# Altium PCB PCB1.PcbDoc (part 4 of 4)
Units mm, origin at the board's own origin, x right, y up, seen from the top; angles counter-clockwise.
Board outline 182 x 106 mm, 2 copper layers (Top Layer, Bottom Layer); 1027 components, 737 nets, 3417 pads, 0 vias.
Unrouted connection lines stored in the file: 2451.
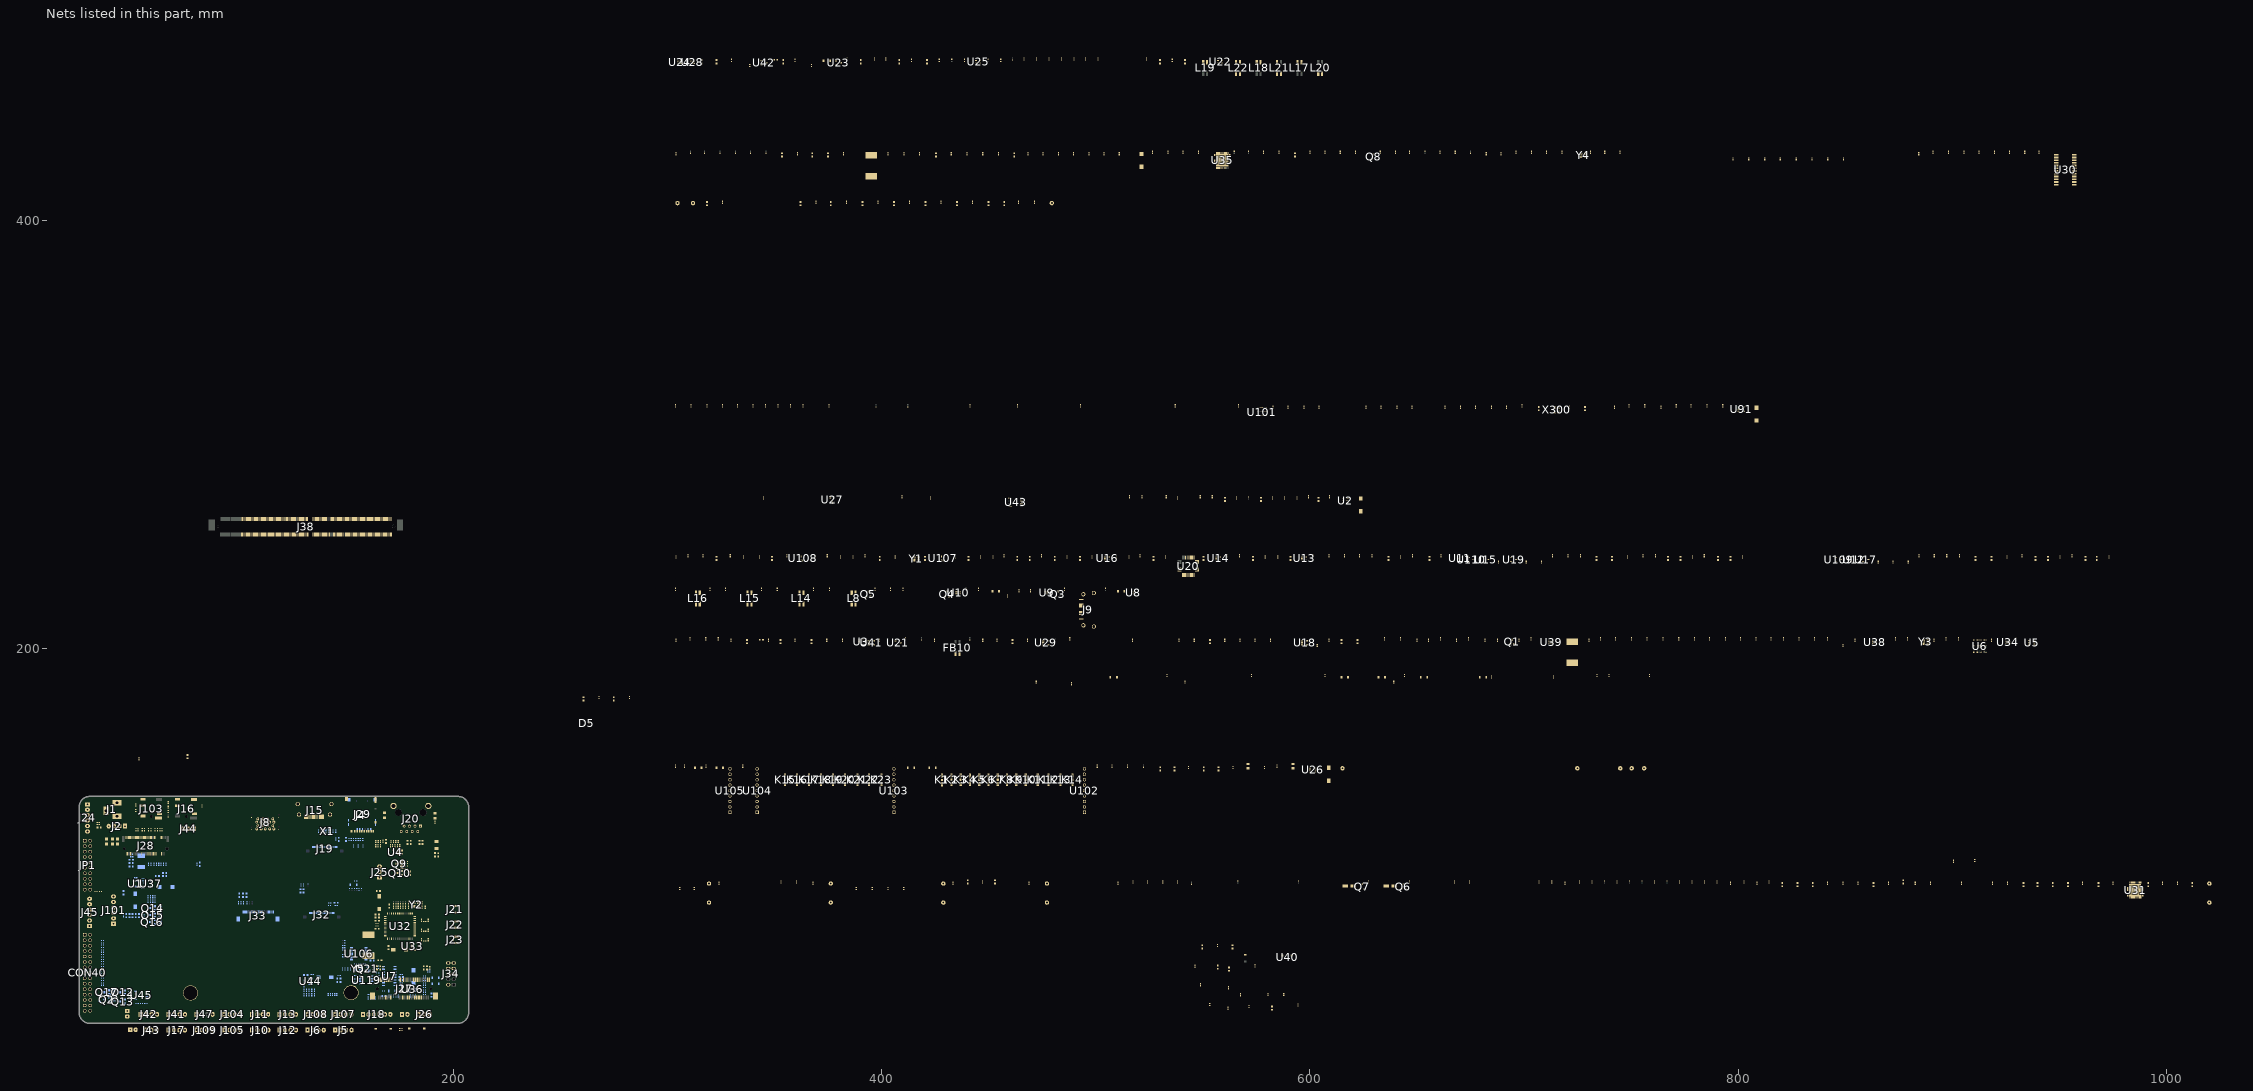
[diagram p4: the nets of this part, all layers, seen from the top]

## Footprints (in the part's own frame and the unit in brackets; to place one, negate y for a bottom-side part, rotate by r counter-clockwise, add the part's x,y. Pads: shape width x height; smd on the part's side, far side on the other; paste and mask are expansions set on the pad) (continued)
MINI_PCIE_52PIN [mm]
  rect 0.6x2 smd: 1(-11.8,-4.1) 2(-11.4,4.1) 3(-11,-4.1) 4(-10.6,4.1) 5(-10.2,-4.1) 6(-9.8,4.1) 7(-9.4,-4.1) 8(-9,4.1) 9(-8.6,-4.1) 10(-8.2,4.1) 11(-7.8,-4.1) 12(-7.4,4.1) 13(-7,-4.1) 14(-6.6,4.1) 15(-6.2,-4.1) 16(-5.8,4.1) 17(-2.2,-4.1) 18(-1.8,4.1) 19(-1.4,-4.1) 20(-1,4.1) 21(-0.6,-4.1) 22(-0.2,4.1) 23(0.2,-4.1) 24(0.6,4.1) 25(1,-4.1) 26(1.4,4.1) 27(1.8,-4.1) 28(2.2,4.1) 29(2.6,-4.1) 30(3,4.1) 31(3.4,-4.1) 32(3.8,4.1) 33(4.2,-4.1) 34(4.6,4.1) 35(5,-4.1) 36(5.4,4.1) 37(5.8,-4.1) 38(6.2,4.1) 39(6.6,-4.1) 40(7,4.1) 41(7.4,-4.1) 42(7.8,4.1) 43(8.2,-4.1) 44(8.6,4.1) 45(9,-4.1) 46(9.4,4.1) 47(9.8,-4.1) 48(10.2,4.1) 49(10.6,-4.1) 50(11,4.1) 51(11.4,-4.1) 52(11.8,4.1)
  rect 2.3x3.2 smd: 53(-14.65,-3.5) 54(14.65,-3.5)
  round 1.6 hole 1.6 unplated: 55(-12.5,0)
  round 1.1 hole 1.1 unplated: 56(12.5,0)
  silkscreen extent -15,-5.1 15,5.1
MSMD300/3A [mm]
  rect 2x3.4 smd: 1(-2,0) 2(3.3,0)
  silkscreen extent -3.25,-1.95 4.5,1.95
QFN48 [mm]
  rect 0.8x0.3 smd: 1(-3.45,2.75) 2(-3.45,2.25) 3(-3.45,1.75) 4(-3.45,1.25) 5(-3.45,0.75) 6(-3.45,0.25) 7(-3.45,-0.25) 8(-3.45,-0.75) 9(-3.45,-1.25) 10(-3.45,-1.75) 11(-3.45,-2.25) 12(-3.45,-2.75) 25(3.45,-2.75) 26(3.45,-2.25) 27(3.45,-1.75) 28(3.45,-1.25) 29(3.45,-0.75) 30(3.45,-0.25) 31(3.45,0.25) 32(3.45,0.75) 33(3.45,1.25) 34(3.45,1.75) 35(3.45,2.25) 36(3.45,2.75)
  rect 0.3x0.8 smd: 13(-2.75,-3.5) 14(-2.25,-3.5) 15(-1.75,-3.5) 16(-1.25,-3.5) 17(-0.75,-3.5) 18(-0.25,-3.5) 19(0.25,-3.5) 20(0.75,-3.5) 21(1.25,-3.5) 22(1.75,-3.5) 23(2.25,-3.5) 24(2.75,-3.5) 37(2.75,3.5) 38(2.25,3.5) 39(1.75,3.5) 40(1.25,3.5) 41(0.75,3.5) 42(0.25,3.5) 43(-0.25,3.5) 44(-0.75,3.5) 45(-1.25,3.5) 46(-1.75,3.5) 47(-2.25,3.5) 48(-2.75,3.5)
  rect 5.65x5.8 smd: 49(0,0)
  silkscreen extent -4,3.38 -3.75,3.62, body extent -3.55,-3.55 3.55,3.55, height 0.9
"R 0402" [mm] "Chip Resistor, 2-Leads, Body 1.0x0.5mm, IPC Medium Density"
  rect 0.6x0.5 smd mask+0.051: 1(-0.475,0) 2(0.475,0)
  silkscreen extent -0.9,-0.45 0.9,0.45, body extent -0.5,-0.25 0.5,0.25, height 0.4
"R 0603" [mm] "Chip Resistor, 2-Leads, Body 1.6x0.8mm, IPC Medium Density"
  rect 0.85x0.85 smd mask+0.051: 1(-0.775,0) 2(0.775,0)
  silkscreen extent -1.4,-0.63 1.4,0.63, body extent -0.8,-0.4 0.8,0.4, height 0.5
"R 0805" [mm] "Chip Resistor, 2-Leads, Body 2.0x1.3mm, IPC Medium Density"
  rect 1.05x1.35 smd: 1(-0.975,0) 2(0.975,0)
  silkscreen extent -1.75,-0.92 1.75,0.92, body extent -1,-0.61 1,0.59, height 0.5
RCLAMP0524PATCT [mm]
  rect 0.2x0.675 smd: 1(-1,-0.438) 2(-0.5,-0.438) 4(0.5,-0.438) 5(1,-0.438) 6(1,0.438) 7(0.5,0.438) 9(-0.5,0.438) 10(-1,0.438)
  rect 0.4x0.775 smd: 3(0,-0.388) 8(0,0.388)
  silkscreen extent -1.25,-1.3 1.25,0.5, body extent -1.25,-0.76 1.25,0.76, height 2.1
RJ45 [mm]
  rect 1.268x1.268 hole 0.76: 1(-4.445,6.35)
  round 1.268 hole 0.76: 2(-3.175,8.89) 3(-1.905,6.35) 4(-0.635,8.89) 5(0.635,6.35) 6(1.905,8.89) 7(3.175,6.35) 8(4.445,8.89)
  round 2.895 hole 1.93: 9(-8.125,-3.05) 10(8.125,-3.05)
  round 3.25 hole 3.25 unplated: None(-5.715,0) None(5.715,0)
  silkscreen extent -9.63,-7.11 8.89,10.92
SG24301G [mm] "SON, 24-Leads, Body 16.50x9.00mm, Pitch 1.27mm, IPC Medium Density"
  rect 2x0.8 smd: 1(-4.175,6.985) 2(-4.175,5.715) 3(-4.175,4.445) 4(-4.175,3.175) 5(-4.175,1.905) 6(-4.175,0.635) 7(-4.175,-0.635) 8(-4.175,-1.905) 9(-4.175,-3.175) 10(-4.175,-4.445) 11(-4.175,-5.715) 12(-4.175,-6.985) 13(4.175,-6.985) 14(4.175,-5.715) 15(4.175,-4.445) 16(4.175,-3.175) 17(4.175,-1.905) 18(4.175,-0.635) 19(4.175,0.635) 20(4.175,1.905) 21(4.175,3.175) 22(4.175,4.445) 23(4.175,5.715) 24(4.175,6.985)
  silkscreen extent -4.97,-8.27 4.52,8.32, body extent -4.38,-8.13 4.38,8.13, height 2.1
SM-LED-0805-Blue [mil]
  rect 50x55 smd: 1(0,0) 2(90,0)
  silkscreen extent 0,-35 90,35, body extent 5,-25 85,25, height 43
SM-LED-0805-Green [mil]
  rect 50x55 smd: 1(0,0) 2(90,0)
  silkscreen extent 0,-35 90,35, body extent 5,-25 85,25, height 43
SM-LED-0805-Yellow [mil]
  rect 50x55 smd: 1(0,0) 2(90,0)
  silkscreen extent 0,-35 90,35, body extent 5,-25 85,25, height 43
SOIC-8 [mm] "SOIC, 8-Leads, Body 4.90x3.90mm, Pitch 1.27mm, IPC Medium Density"
  oval 1.45x0.6 smd: 1(-2.725,1.905) 2(-2.725,0.635) 3(-2.725,-0.635) 4(-2.725,-1.905) 5(2.725,-1.905) 6(2.725,-0.635) 7(2.725,0.635) 8(2.725,1.905)
  silkscreen extent -2.85,-2.5 1.6,2.88, body extent -3,-2.5 3,2.5, height 1.75
SOP-8 [mm] "SOP, 8-Leads, Body 4.90x3.90mm, Pitch 1.27mm, IPC Medium Density"
  oval 1.45x0.6 smd: 1(-2.725,1.905) 2(-2.725,0.635) 3(-2.725,-0.635) 4(-2.725,-1.905) 5(2.725,-1.905) 6(2.725,-0.635) 7(2.725,0.635) 8(2.725,1.905)
  silkscreen extent -2.85,-2.5 1.6,2.88, body extent -2,-2.5 2,2.5, height 1.75
SOP-16 [mm]
  oval 1.45x0.6 smd: 1(-2.725,4.445) 2(-2.725,3.175) 3(-2.725,1.905) 4(-2.725,0.635) 5(-2.725,-0.635) 6(-2.725,-1.905) 7(-2.725,-3.175) 8(-2.725,-4.445) 9(2.725,-4.445) 10(2.725,-3.175) 11(2.725,-1.905) 12(2.725,-0.635) 13(2.725,0.635) 14(2.725,1.905) 15(2.725,3.175) 16(2.725,4.445)
  silkscreen extent -2.85,-5 1.6,5.42, body extent -2,-5 2,5, height 1.75
SOP-20 [mm]
  rect 1.4x0.45 smd: 1(-3.45,2.925) 2(-3.45,2.275) 3(-3.45,1.625) 4(-3.45,0.975) 5(-3.45,0.325) 6(-3.45,-0.325) 7(-3.45,-0.975) 8(-3.45,-1.625) 9(-3.45,-2.275) 10(-3.45,-2.925) 11(3.45,-2.925) 12(3.45,-2.275) 13(3.45,-1.625) 14(3.45,-0.975) 15(3.45,-0.325) 16(3.45,0.325) 17(3.45,0.975) 18(3.45,1.625) 19(3.45,2.275) 20(3.45,2.925)
  silkscreen extent -3.57,-3.7 2.35,3.82, body extent -2.75,-3.7 2.75,3.7, height 1.85
SOT23 [mm] "SOT-23; 3 Leads; Body 3.1 x 2.5 mm, inc. leads (LxW max), Alternate Lead Configuration"
  rect 0.9x0.95 smd: 1(0,1.175) 2(0.95,-1.175) 3(-0.95,-1.175)
  silkscreen extent -1.3,-0.3 1.3,2.32
SOT-23-5 [mm] "SOT23, 5-Leads, Body 3.0x3.0mm (max), Pitch 0.95mm, IPC Medium Density"
  rect 1x0.55 smd: 1(-1.3,0.95) 2(-1.3,0) 3(-1.3,-0.95) 4(1.3,-0.95) 5(1.3,0.95)
  silkscreen extent -0.25,-1.5 0.25,1.5, body extent -1.5,-1.5 1.5,1.5, height 1.3
SOT-23-6 [mm] "SOT23, 6-Leads, Body 3.0x3.0mm (max), Pitch 0.95mm, IPC Medium Density"
  rect 1x0.55 smd: 1(-1.3,0.95) 2(-1.3,0) 3(-1.3,-0.95) 4(1.3,-0.95) 5(1.3,0) 6(1.3,0.95)
  silkscreen extent -1.42,-1.5 0.25,1.98, body extent -1.5,-1.5 1.5,1.5, height 1.3
"SOT-23-6 Thin" [mm] "TSOT-26"
  rrect25% 1x0.6 smd: 1(-1.1,0.95) 2(-1.1,0) 3(-1.1,-0.95) 4(1.1,-0.95) 5(1.1,0) 6(1.1,0.95)
  silkscreen extent -1.42,-1.5 0.25,1.97, body extent -1.27,-1.4 1.16,1.4, height 1.09
SW1-SMD [mm]
  rect 1.2x0.8 smd: 1(-3.5,0) 2(3.5,0)
  silkscreen extent -2.82,-1.85 2.82,1.85, body extent -3.05,-1.85 3.05,1.85, height 2.5
TC358749XBG-80pin [mm]
  round 0.24 smd: A1(-2.925,2.925) A2(-2.275,2.925) A3(-1.625,2.925) A4(-0.975,2.925) A5(-0.325,2.925) A6(0.325,2.925) A7(0.975,2.925) A8(1.625,2.925) A9(2.275,2.925) A10(2.925,2.925) B1(-2.925,2.275) B2(-2.275,2.275) B3(-1.625,2.275) B4(-0.975,2.275) B5(-0.325,2.275) B6(0.325,2.275) B7(0.975,2.275) B8(1.625,2.275) B9(2.275,2.275) B10(2.925,2.275) C1(-2.925,1.625) C2(-2.275,1.625) C9(2.275,1.625) C10(2.925,1.625) D1(-2.925,0.975) D2(-2.275,0.975) D4(-0.975,0.975) D5(-0.325,0.975) D6(0.325,0.975) D7(0.975,0.975) D9(2.275,0.975) D10(2.925,0.975) E1(-2.925,0.325) E2(-2.275,0.325) E4(-0.975,0.325) E5(-0.325,0.325) E6(0.325,0.325) E7(0.975,0.325) E9(2.275,0.325) E10(2.925,0.325) F1(-2.925,-0.325) F2(-2.275,-0.325) F4(-0.975,-0.325) F5(-0.325,-0.325) F6(0.325,-0.325) F7(0.975,-0.325) F9(2.275,-0.325) F10(2.925,-0.325) G1(-2.925,-0.975) G2(-2.275,-0.975) G4(-0.975,-0.975) G5(-0.325,-0.975) G6(0.325,-0.975) G7(0.975,-0.975) G9(2.275,-0.975) G10(2.925,-0.975) H1(-2.925,-1.625) H2(-2.275,-1.625) H9(2.275,-1.625) H10(2.925,-1.625) J1(-2.925,-2.275) J2(-2.275,-2.275) J3(-1.625,-2.275) J4(-0.975,-2.275) J5(-0.325,-2.275) J6(0.325,-2.275) J7(0.975,-2.275) J8(1.625,-2.275) J9(2.275,-2.275) J10(2.925,-2.275) K1(-2.925,-2.925) K2(-2.275,-2.925) K3(-1.625,-2.925) K4(-0.975,-2.925) K5(-0.325,-2.925) K6(0.325,-2.925) K7(0.975,-2.925) K8(1.625,-2.925) K9(2.275,-2.925) K10(2.925,-2.925)
  silkscreen extent -4.2,-3.5 3.5,3.5
TI-DDC5_N [mm] "SOT23, 5-Leads, Body 2.9x1.6mm, Pitch 0.95mm, IPC Medium Density"
  rect 1.05x0.6 smd: 1(-1.2,0.95) 2(-1.2,0) 3(-1.2,-0.95) 4(1.2,-0.95) 5(1.2,0.95)
  silkscreen extent -1.33,-1.55 0.3,1.92, body extent -0.87,-1.52 0.87,1.53, height 1.1
TLA06LCA [mm] "Micro SMD, 6-Leads, Body 1.57x1.26mm, Pitch 0.5mm, NSC Recommended"
  round 0.265 smd paste-0.132 mask+0.05: A1(-0.25,0.5) A2(0.25,0.5) B1(-0.25,0) B2(0.25,0) C1(-0.25,-0.5) C2(0.25,-0.5)
  silkscreen extent -0.78,0.84 -0.69,0.94, body extent -0.63,-0.78 0.63,0.79, height 0.68
TP1 [mil] "Test point"
  round 80 hole 35: 1(0,0)
  silkscreen extent -44,-44 44,44, body extent -50,-50 50,50, height 178
TSOT-23-8 [mm]
  rect 1x0.3 smd: 1(-1.3,0.975) 2(-1.3,0.325) 3(-1.3,-0.325) 4(-1.3,-0.975) 5(1.3,-0.975) 6(1.3,-0.325) 7(1.3,0.325) 8(1.3,0.975)
  silkscreen extent -1.42,-1.47 0.25,2, body extent -1.4,-1.45 1.4,1.45, height 1
TSSOP-10 [mm]
  oval 0.95x0.3 smd: 1(-2.025,1) 2(-2.025,0.5) 3(-2.025,0) 4(-2.025,-0.5) 5(-2.025,-1) 6(2.025,-1) 7(2.025,-0.5) 8(2.025,0) 9(2.025,0.5) 10(2.025,1)
  silkscreen extent -2.15,-1.55 1.15,1.82, body extent -1.55,-1.55 1.55,1.55, height 1.1

## Part data
C1 C2 C3 C4 C5 C6 C7 C8 C9 C10 C11 C12 C13 C14 C15 C16 C17 C18 C19 C20 C21 C22 C23 C24 C25 C26 C27 C28 C29 C30 C31 C32 C33 C34 C35 C36 C37 C38 C39 C40 C41 C42 C43 C44 C45 C46 C47 C48 C49 C50 C51 C52 C53 C54 C55 C56 C57 C58 C59 C60 C61 C62 C63 C64 C65 C66 C67 C68 C69 C70 C71 C72 C73 C74 C75 C76 C77 C78 C79 C80 C81 C82 C83 C84 C85 C86 C87 C88 C89 C90 C91 C92 C93 C94 C95 C96 C97 C98 C99 C100 C101 C102 C103 C104 C105 C106 C107 C108 C109 C110 C111 C112 C113 C114 C115 C116 C117 C118 C119 C120 C121 C122 C123 C124 C125 C126 C127 C128 C129 C130 C131 C132 C133 C134 C135 C136 C137 C138 C139 C140 C141 C142 C143 C144 C145 C146 C147 C148 C149 C150 C151 C152 C153 C154 C155 C156 C157 C158 C159 C160 C161 C162 C163 C164 C165 C166 C167 C168 C169 C170 C171 C172 C173 C174 C175 C176 C177 C178 C179 C180 C181 C182 C183 C184 C185 C186 C187 C188 C189 C190 C191 C192 C193 C194 C195 C196 C197 C198 C199 C200 C201 C202 C203 C204 C205 C206 C207 C208 C209 C210 C211 C212 C213 C214 C215 C216 C217 C218 C219 C220 C221 C222 C223 C224 C225 C226 C227 C228 C229 C230 C231 C232 C233 C234 C235 C236 C237 C238 C239 C240 C241 C242 C243 C244 C245 C246 C247 C248 C249 C250 C251 C252 C253 C254 C255 C256 C257 C258 C259 C260 C261 C262 C263 C264 C265 C266 C267 C268 C269 C270 C271 C272 C273 C274 C275 C276 C277 C278 C279 C280 C281 C282 C283 C284 C285 C286 C287 C288 C289 C290 C291 C292 C293 C311 C312 C313 C315 C316 C318 C319 C320 C321 C322 C323 C324 C325 C326 C327 C328 C329 C330 C331 C332 C333 C334 C335 C336 C337 C338 C339 C340 C341 C342 C343 C344 C345 C346 C347 C350 C351 C352 C353 C354 C355 C356 C357 C358 C359 C360 C361 C362 C363 C364 C500 C501 C502 C503 C504 C505 C506 C507 C508 C509 C510 C511 C512 C513 C514 C515 C516 C517 C518 C519 C527 C528 C529 C530 C531 C532 C533 C534 C535 C536 C537 C538 C572 C573 C574 C577 C578 C580 C581 C585 C586: library part Cap, "Capacitor"
D1 D2 D3 D4 D7 D8 D9 D10 D11 D12 D13 D14 D15 D16 D20 D22: "Default Diode"
D5: library part BAT54-05, "Silicon Schottky Diode, SOT23, Reel, Green"
D6: library part "Diode SMD", "Default Diode"
EC1 EC2: "Polarized Capacitor (Axial)"
ED1 ED2 ED3 ED4 ED5 ED6 ED7 ED8 ED9 ED10 ED11 ED12 ED13 ED14 ED15 ED16 ED17 ED18 ED19 ED20 ED21 ED22 ED23 ED24 ED25 ED26 ED27 ED28 ED29 ED30 ED31 ED32 ED33 ED34 ED35 ED36 ED37 ED38 ED39 ED40 ED41 ED42 ED43 ED44 ED45 ED46 ED47 ED48 ED49 ED50 ED51 ED52 ED53 ED54 ED55 ED56 ED57 ED58 ED59 ED60 ED61 ED62: library part 1SMB54CAT3, "600 W Peak Power Zener Transient Voltage Suppressor, Bidirectional, 2-Pin SMB, Tape and Reel"
FB1 FB2 FB3 FB4 FB5: library part L1, "Inductor"
FB10 L8 L14 L15 L16 L17 L18 L19 L20 L21 L22: library part L-SMD-2
J1: library part DCIN, "Jac DC input"
J2 J5 J6 J107 J108 J109: library part JP4x1-2.0, "WR-PHD 2.00 mm Socket Header"
J3 J7: library part JP2, "WR-PHD 2.54 mm Angled Socket Header"
J4: library part DM3AT-SF-PEJM5, "DM3 RA SMT microSD memory card push/push"
J8: library part USB3D0_AF_18P_B
J9 J15: library part 10029449-001RLF, "Connector, Hdmi Type a, Receptacle, 19 Position, Full Reel"
J10 J11 J12 J13 J104 J105: library part JP4, "WR-PHD 2.54 mm Angled Socket Header"
J14: library part Header2, "Header IDC, 2 x 1 Pin Vertical 2.54mm Pitch (Non-Boxed, Male)"
J16 J103: library part ST-PJ-312, "SMD Audio Jack; 3.5mm"
J17: library part "Header 4", "Header, 4-Pin"
J18 J24 J45 J101: library part "Header 6", "Header, 6-Pin"
J21 J22 J23: library part Antenna, "Generic Antenna"
J25 J26 J43 K1 K2 K3 K4 K5 K6 K7 K8 K9 K10 K11 K12 K13 K14 K15 K16 K17 K18 K19 K20 K21 K22 K23: library part JP3, "WR-PHD 2.54 mm Angled Socket Header"
J29: "Conn Micro SIM Card SKT 6 POS 2.54mm Solder RA SMD 0.5A/Contact Embossed T/R"
J33: library part FPC-30PIN-0D5
J34: library part "Header 5X2", "Header, 5-Pin, Dual row"
J41 J42 J47: library part Header4, "Header IDC, 4 x 1 Pin Vertical 2.54mm Pitch (Non-Boxed, Male)"
J44: library part Header3, "Header IDC, 3 x 1 Pin Vertical 2.54mm Pitch (Non-Boxed, Male)"
KEY5 KEY6: library part SW2, "Switch button 2 pin"
L1 L2 L3 L4 L5 L6 L7 L9 L10 L11 L12 L13 L100: library part L-SMD-1
LED1 LED2 LED3 LED4 LED5: library part LED-SMD-0805
Q1 Q10 Q12 Q13 Q14 Q15 Q21: library part SMD-TRANSISTORS-NPN-25V-500MW(SOT-23)
Q2 Q9 Q17: library part FDN304P, "P-Channel 20 V 52 mOhm 1.8V Surface Mount Specified PowerTrench Mosfet SSOT-3"
Q3 Q4 Q5 Q6 Q7 Q8 Q16: library part ZXM61N02F, "20V N-Channel Enhancement Mode MOSFET"
R1 R2 R3 R4 R5 R6 R7 R8 R9 R10 R11 R12 R13 R14 R15 R16 R17 R18 R19 R20 R21 R22 R23 R24 R25 R26 R27 R28 R29 R30 R31 R32 R33 R34 R35 R36 R37 R38 R39 R40 R41 R42 R43 R44 R45 R46 R47 R48 R49 R50 R51 R52 R53 R54 R55 R56 R57 R58 R59 R60 R61 R62 R63 R64 R65 R66 R67 R68 R69 R70 R71 R72 R73 R74 R75 R76 R77 R78 R79 R80 R81 R82 R83 R84 R85 R86 R87 R88 R89 R90 R91 R92 R93 R94 R95 R96 R97 R98 R99 R100 R101 R102 R103 R104 R105 R106 R107 R108 R109 R110 R111 R112 R113 R114 R115 R116 R117 R118 R119 R120 R121 R122 R123 R124 R125 R126 R127 R128 R129 R130 R131 R132 R133 R134 R135 R136 R137 R138 R139 R140 R141 R142 R143 R144 R145 R146 R147 R148 R149 R150 R151 R152 R153 R154 R155 R156 R157 R158 R159 R160 R161 R162 R163 R164 R165 R166 R167 R168 R169 R170 R171 R172 R173 R174 R175 R176 R177 R178 R179 R180 R181 R182 R183 R184 R185 R186 R187 R188 R189 R190 R191 R192 R193 R194 R195 R196 R197 R198 R199 R200 R201 R202 R203 R204 R205 R206 R207 R208 R209 R210 R211 R212 R213 R214 R215 R216 R217 R218 R219 R220 R221 R222 R223 R224 R225 R226 R227 R228 R229 R230 R231 R232 R233 R234 R235 R236 R237 R238 R239 R240 R241 R242 R243 R244 R245 R246 R247 R248 R249 R250 R251 R252 R253 R254 R255 R256 R257 R258 R259 R260 R261 R262 R263 R264 R265 R266 R267 R268 R269 R270 R271 R272 R273 R274 R275 R276 R277 R278 R279 R280 R281 R282 R283 R284 R285 R286 R287 R288 R289 R290 R291 R292 R293 R294 R295 R296 R297 R298 R299 R300 R301 R302 R303 R304 R305 R306 R307 R308 R309 R310 R311 R312 R313 R314 R315 R500 R501 R502 R525 R526 R527 R528 R529 R530 R531 R532 R533 R534 R535 R536 R537 R538 R539 R540 R541 R542 R543 R544 R545 R546 R547 R548 R549 R550 R551 R552 R553 R559 R607 R608 R611 R612 R613 R614 R615 R616 R656 R657 R658 R661 R662 R671 R672 R673: library part Res-SMD, "Resistor"
TP1 TP2 TP3 TP4 TP5 TP13 TP14 TP15: library part TP1, "Test Point"
U1 U2 U26 U37: "Switching Voltage Regulators 17 Vin,3A Sync SD Reg"
U4: library part TPS781330220DDCTG4, "Single Output Dual Level Fixed LDO, 150 mA, Fixed 2.2, 3.3 V Output, 2.2 to 5.5 V Input, with Vset Pin, 5-pin SOT (DDC), -40 to 125 degC, Green (RoHS & no Sb/Br)"
U8 U9 U10 U24 U28 U34 U38 U39: library part SLP2510P8
U11 U13 U14 U16 U22 U25 U107 U108: library part TPS22943DCKR, "Low-Input Voltage 40 mA Current Limited Load Switch, 400 mOhms rDS(On), -40 to 85 degC, 5-pin SC70 (DCK), Green (RoHS & no Sb/Br)"
U12 U15 U17 U19 U109 U110: library part BAT64-06, "Silicon Schottky Diode, SOT23, Reel, Green"
U21 U23 U42: library part BAS70-06, "Silicon Schottky Diode, -55 to 125 degC, SOT23, Reel, Green"
U27: library part FDC6331L, "FDC6331 Series 8 V 2.8 A High Side Integrated Load Switch - SSOT-6"
U33: library part LM3691TL-3.3/NOPB, "High Accuracy, Miniature 1A, Step-Down DC-DC Converter for Portable Applications, 6-pin Micro SMD, 250 Reel"
U40: library part HDMI_OUT_DAC
U43: library part SOP8_AT18
U102 U103 U104 U105: library part JP9, "WR-PHD 2.54 mm Angled Socket Header"
U106: library part SSOP20
X300: library part CRY_D2520
Y1 Y2 Y3 Y4 Y5: library part ABM8-30.000MHZ-10-1-U-T, "Ultra Miniature Crystal, SMD Ceramic, 30.000MHZ, 10pF, 10ppm@25C, 10ppm -10+60C,"

## Free pads (board coordinates)
  round 7 hole 6.5: 0(77.1,39.2) 0(152.1,39.3)

## Nets (pads, with @x,y where several pads share a name; then routed paths per layer and width w, separated by ;. In a path a pad name is that pad's centre, name@x,y a point inside that pad or via, vN(x,y) a via of type N, cw(c..) or ccw(c..) an arc to the next point about the centre after c; other vN are vias at no path point)
3G_USB_DM: J27.36 J38.134
3G_USB_DP: J27.38 J38.136
3V3: C170.2 L3.1 U32.37 U33.C1
ADC_IN0: J38.120 J109.1 R19.1
ALOUT: U40.7
AROUT: U40.10
AVDD18_REF: C138.1 C139.1 R91.2 U31.10
BL_EN: J33.11 J38.98 J45.4 R190.2
BT_HOST_WAKE_L: J38.205
BT_PCM_CLK: U32.30
BT_PCM_IN: U32.28
BT_PCM_OUT: U32.29
BT_PCM_SYNC: U32.27
BT_REG_ON_H: J38.217
BT_WAKE_L: J38.207
CIF_PWR: J19.2 J32.2 J38.110
CPU_DET: J38.175
DA+: J20.6 U30.13
DA-: J20.3 U30.14
DAS/DSS: J28.10 R230.2
DB+: J20.2 U30.17
DB-: J20.1 U30.18
DC+: J20.8 U30.19
DC-: J20.7 U30.20
DC_12V: C2.2 C3.2 C5.2 C6.2 C7.2 C13.2 C14.2 C113.2 C114.2 C151.2 C225.1 C234.1 C236.1 C241.1 C354.2 C363.1 C364.1 F1.2 J45.5 J45.6 J101.1 Q9.2 R1.2 R6.2 R9.2 R183.2 R236.2 TP3.1 U1.3 U2.5 U26.3 U36.2 U37.5 U44.2
DCIN: ED1.1 F1.1 J1.1 J2.3 J2.4 TP2.1
DD+: J20.5 U30.23
DD-: J20.4 U30.24
DDC_SCL: J9.15 J15.15 Q4.1 R44.1 U8.2 U8.9
DDC_SDA: J9.16 J15.16 Q5.1 R46.1 U8.4 U8.7
DSRXCM: R138.1 U101.H4
DSRXCP: R35.1 U101.G4
DSRXD0M: R22.1 U101.H2
DSRXD0P: R21.1 U101.G2
DSRXD1M: R34.1 U101.H3
DSRXD1P: R24.1 U101.G3
DSRXD2M: R248.1 U101.H5
DSRXD2P: R221.1 U101.G5
DSRXD3M: R255.1 U101.H6
DSRXD3P: R254.1 U101.G6
DVP_PWR: J19.3 J32.3 J38.112
EAR_CTL: R111.2 R112.1
EDP_AUXN: J38.48 JP1.15
EDP_AUXP: J38.50 JP1.16
EDP_TX0N: J38.54 JP1.5
EDP_TX0P: J38.56 JP1.6
EDP_TX1N: J38.60 JP1.7
EDP_TX1P: J38.62 JP1.8
EDP_TX2N: J38.66 JP1.9
EDP_TX2P: J38.68 JP1.10
EDP_TX3N: J38.72 JP1.11
EDP_TX3P: J38.74 JP1.12
ENSWREG: R172.2 R173.1 U35.38
EXT_EN: J38.239
FAN_12V: C226.1 D10.2 ED41.1 J25.2 Q9.3 R187.1
FAN_INT: D11.1 J38.118 R191.1 R195.1 R196.1
GND: C1.2 C2.1 C3.1 C5.1 C6.1 C7.1 C8.2 C9.1 C10.1 C11.1 C13.1 C14.1 C16.1 C17.1 C18.1 C19.1 C20.1 C21.2 C22.2 C23.1 C24.1 C25.1 C26.1 C27.1 C28.2 C29.1 C33.1 C34.1 C35.1 C36.1 C38.1 C40.1 C41.2 C42.2 C43.2 C44.2 C45.2 C46.1 C47.1 C48.1 C49.2 C50.2 C51.2 C52.1 C53.1 C54.1 C55.2 C56.2 C57.2 C58.2 C59.2 C60.2 C61.1 C62.1 C63.1 C64.1 C65.1 C66.1 C67.1 C68.1 C69.1 C70.1 C71.1 C72.2 C73.1 C75.2 C76.2 C77.2 C78.2 C79.2 C80.2 C81.2 C82.1 C83.2 C84.2 C85.2 C86.2 C87.2 C88.2 C89.2 C90.2 C91.1 C94.2 C95.1 C96.2 C97.2 C98.2 C99.2 C100.2 C101.2 C106.1 C107.1 C108.2 C109.2 C110.2 C112.1 C113.1 C114.1 C115.2 C116.2 C117.2 C118.2 C119.2 C121.2 C122.2 C126.1 C127.2 C128.2 C129.2 C130.2 C131.2 C132.1 C133.1 C134.2 C135.2 C136.2 C137.2 C138.2 C139.2 C140.2 C141.2 C142.2 C144.2 C145.2 C146.1 C147.1 C148.2 C149.1 C150.1 C151.1 C152.2 C153.2 C154.2 C155.2 C156.1 C157.2 C158.2 C161.2 C162.2 C163.2 C165.2 C166.1 C167.1 C168.1 C169.1 C170.1 C171.1 C172.1 C173.1 C174.1 C175.1 C176.1 C177.1 C178.1 C179.1 C180.1 C181.1 C182.2 C183.2 C184.2 C185.2 C186.2 C187.2 C188.2 C189.2 C190.2 C191.2 C192.2 C193.2 C194.2 C195.2 C196.2 C197.2 C199.1 C200.2 C201.2 C202.2 C203.2 C204.2 C205.2 C206.2 C207.2 C208.2 C209.2 C210.2 C211.2 C212.2 C213.2 C214.2 C215.2 C216.2 C217.2 C218.2 C219.2 C220.2 C221.2 C222.2 C223.2 C224.2 C226.2 C227.2 C228.1 C232.1 C233.1 C234.2 C235.1 C236.2 C237.2 C238.1 C240.1 C241.2 C242.2 C243.1 C244.1 C249.1 C254.1 C255.1 C258.1 C259.1 C260.1 C261.1 C262.1 C263.1 C264.1 C265.1 C266.1 C267.1 C268.1 C269.2 C270.2 C271.2 C272.2 C273.2 C274.2 C275.2 C276.2 C277.2 C278.2 C279.2 C280.2 C281.2 C282.2 C283.2 C284.2 C285.1 C286.1 C287.2 C288.2 C289.1 C290.1 C291.1 C292.1 C293.1 C311.2 C312.2 C313.2 C315.2 C316.2 C318.2 C319.2 C320.2 C321.2 C322.2 C323.2 C324.2 C325.2 C326.2 C327.2 C328.2 C329.2 C330.2 C331.2 C332.2 C333.2 C334.2 C335.2 C336.2 C337.2 C338.2 C339.2 C340.2 C341.2 C342.2 C343.2 C344.2 C345.2 C346.2 C347.2 C350.2 C351.2 C352.2 C353.2 C354.1 C355.1 C356.2 C358.1 C359.1 C361.2 C362.1 C363.2 C364.2 C500.2 C501.2 C502.2 C503.2 C504.2 C505.2 C506.2 C507.2 C508.2 C509.2 C510.2 C511.2 C512.2 C513.2 C514.2 C515.2 C516.2 C517.2 C518.2 C519.2 C527.2 C528.2 C529.2 C530.2 C531.2 C532.2 C533.1 C534.1 C535.1 C536.1 C537.1 C538.1 C572.1 C573.2 C574.2 C577.1 C578.2 C580.2 C581.1 C585.1 C586.2 CON40.4 CON40.5 CON40.6 CON40.13 CON40.14 CON40.25 CON40.26 D6.1 D9.1 D10.1 ED1.2 ED2.2 ED3.2 ED4.2 ED5.2 ED6.2 ED7.2 ED8.2 ED9.2 ED10.2 ED11.2 ED12.2 ED13.2 ED14.2 ED15.2 ED16.2 ED17.2 ED18.2 ED19.2 ED20.2 ED21.2 ED22.2 ED23.2 ED24.2 ED25.2 ED26.2 ED27.2 ED28.2 ED29.2 ED30.2 ED31.2 ED32.2 ED33.2 ED34.2 ED35.2 ED36.2 ED37.2 ED38.2 ED39.2 ED40.2 ED41.2 ED42.2 ED43.2 ED44.2 ED45.2 ED46.2 ED47.2 ED48.2 ED49.2 ED50.2 ED51.2 ED52.2 ED53.2 ED54.2 ED55.2 ED56.2 ED57.2 ED58.2 ED59.2 ED60.2 ED61.2 ED62.2 J1.2 J1.3 J2.1 J2.2 J3.2 J4.6 J5.1 J6.1 J7.2 J8.4 J8.7 J8.13 J8.16 J8.19 J8.20 J8.21 J8.22 J9.2 J9.5 J9.8 J9.11 J9.17 J9.S1 J9.S2 J9.S3 J9.S4 J10.1 J11.1 J12.1 J13.1 J15.2 J15.5 J15.8 J15.11 J15.17 J15.S1 J15.S2 J15.S3 J15.S4 J16.COM1 J18.6 J19.8 J19.10 J19.13 J19.16 J19.19 J19.22 J21.2 J21.3 J22.2 J22.3 J23.2 J23.3 J24.6 J25.3 J26.1 J27.4 J27.9 J27.15 J27.18 J27.21 J27.26 J27.27 J27.29 J27.34 J27.35 J27.37 J27.40 J27.43 J27.50 J27.53 J27.54 J28.1 J28.3 J28.9 J28.21 J28.27 J28.33 J28.39 J28.45 J28.51 J28.57 J28.63 J28.65 J28.67 J28.68 J28.69 J29.C5 J29.G1 J29.G2 J29.G3 J29.G4 J29.G5 J29.G6 J32.8 J32.10 J32.13 J32.16 J32.19 J32.22 J33.4 J33.15 J33.18 J33.21 J33.24 J33.27 J33.30 J33.31 J33.32 J34.9 J38.2 J38.4 J38.6 J38.8 J38.10 J38.12 J38.14 J38.16 J38.18 J38.19 J38.32 J38.33 J38.46 J38.47 J38.52 J38.58 J38.61 J38.64 J38.70 J38.76 J38.80 J38.85 J38.91 J38.107 J38.113 J38.119 J38.125 J38.137 J38.138 J38.143 J38.144 J38.149 J38.150 J38.155 J38.156 J38.161 J38.202 J38.203 J38.220 J38.226 J38.232 J38.235 J38.238 J38.244 J38.250 J38.256 J38.262 J38.268 J38.274 J38.275 J38.280 J41.3 J41.4 J42.3 J42.4 J43.2 J44.2 J45.1 J45.2 J47.4 J103.COM1 J104.1 J105.1 J107.1 J108.1 J109.4 JP1.3 JP1.4 JP1.13 JP1.14 JP1.17 JP1.18 K1.1 K1.2 K1.3 K2.1 K2.2 K2.3 K3.1 K3.2 K3.3 K4.1 K4.2 K4.3 K5.1 K5.2 K5.3 K6.1 K6.2 K6.3 K7.1 K7.2 K7.3 K8.1 K8.2 K8.3 K9.1 K9.2 K9.3 K10.1 K10.2 K10.3 K11.1 K11.2 K11.3 K12.1 K12.2 K12.3 K13.1 K13.2 K13.3 K14.1 K14.2 K14.3 K15.1 K15.2 K15.3 K16.1 K16.2 K16.3 K17.1 K17.2 K17.3 K18.1 K18.2 K18.3 K19.1 K19.2 K19.3 K20.1 K20.2 K20.3 K21.1 K21.2 K21.3 K22.1 K22.2 K22.3 K23.1 K23.2 K23.3 KEY5.2 KEY6.2 LED1.2 LED3.2 pad.0 Q10.2 Q12.2 Q13.2 Q14.2 Q15.2 Q21.2 R4.1 R5.2 R8.2 R11.1 R13.2 R14.2 R16.1 R40.2 R47.2 R50.2 R53.2 R56.2 R63.2 R67.1 R72.2 R73.2 R82.1 R90.2 R107.2 R108.2 R109.1 R110.1 R112.2 R149.1 R151.1 R153.1 R155.1 R157.2 R158.1 R161.1 R165.1 R167.1 R172.1 R174.1 R194.2 R195.2 R205.2 R206.2 R215.1 R216.1 R218.1 R219.2 R220.1 R222.1 R231.2 R232.2 R241.2 R247.1 R260.2 R263.1 R264.2 R268.2 R275.1 R276.2 R280.1 R281.2 R285.2 R286.2 R502.1 R547.1 R548.2 R552.2 R611.2 R612.2 R657.2 TP1.1 U1.1 U2.2 U3.2 U4.2 U5.2 U6.A7 U6.B2 U6.B3 U6.B4 U6.B5 U6.B6 U6.B8 U6.D4 U6.D5 U6.D6 U6.D7 U6.D9 U6.E4 U6.E5 U6.E6 U6.E7 U6.F4 U6.F5 U6.F6 U6.F7 U6.G2 U6.G6 U6.G7 U6.G9 U6.J8 U7.15 U8.3 U8.8 U9.3 U9.8 U10.3 U10.8 U11.2 U12.3 U13.2 U14.2 U15.3 U16.2 U17.3 U18.2 U19.3 U20.10 U20.24 U20.39 U21.3 U22.2 U23.3 U24.3 U24.8 U25.2 U26.1 U27.2 U28.3 U28.8 U29.2 U31.9 U31.22 U31.25 U31.49 U32.1 U32.3 U32.4 U32.5 U32.6 U32.7 U32.8 U32.10 U32.11 U32.23 U32.32 U32.39 U33.B1 U33.C2 U34.3 U34.8 U35.47 U35.49 U36.4 U37.2 U38.3 U38.8 U39.3 U39.8 U40.8 U41.2 U42.3 U43.8 U44.4 U45.8 U91.2 U101.A1 U101.A7 U101.A8 U101.C1 U101.C6 U101.E1 U101.E5 U101.E6 U101.F1 U101.F4 U101.F5 U101.H8 U102.1 U102.2 U102.3 U102.4 U102.5 U102.6 U102.7 U102.8 U102.9 U103.1 U103.2 U103.3 U103.4 U103.5 U103.6 U103.7 U103.8 U103.9 U104.1 U104.2 U104.3 U104.4 U104.5 U104.6 U104.7 U104.8 U104.9 U105.1 U105.2 U105.3 U105.4 U105.5 U105.6 U105.7 U105.8 U105.9 U106.1 U106.13 U107.2 U108.2 U109.3 U110.3 U119.5 X1.2 X300.2 Y1.2 Y1.4 Y2.2 Y2.4 Y3.2 Y3.4 Y4.2 Y4.4 Y5.2 Y5.4